# Altium PCB Van Battery Controller V1.PcbDoc (part 1 of 3)
Units mil, origin at the board's own origin, x right, y up, seen from the top; angles counter-clockwise.
Board outline 6889.76 x 6889.76 mil, 8 copper layers (Top (Sig/GND), Int1 (GND), Int2 (24V), Int3 (24V), Int4 (GND), Int5 (24V), Int6 (GND), Bottom (Sig/GND)), stack 90.162 mil thick; 161 components, 117 nets, 594 pads, 573 vias.
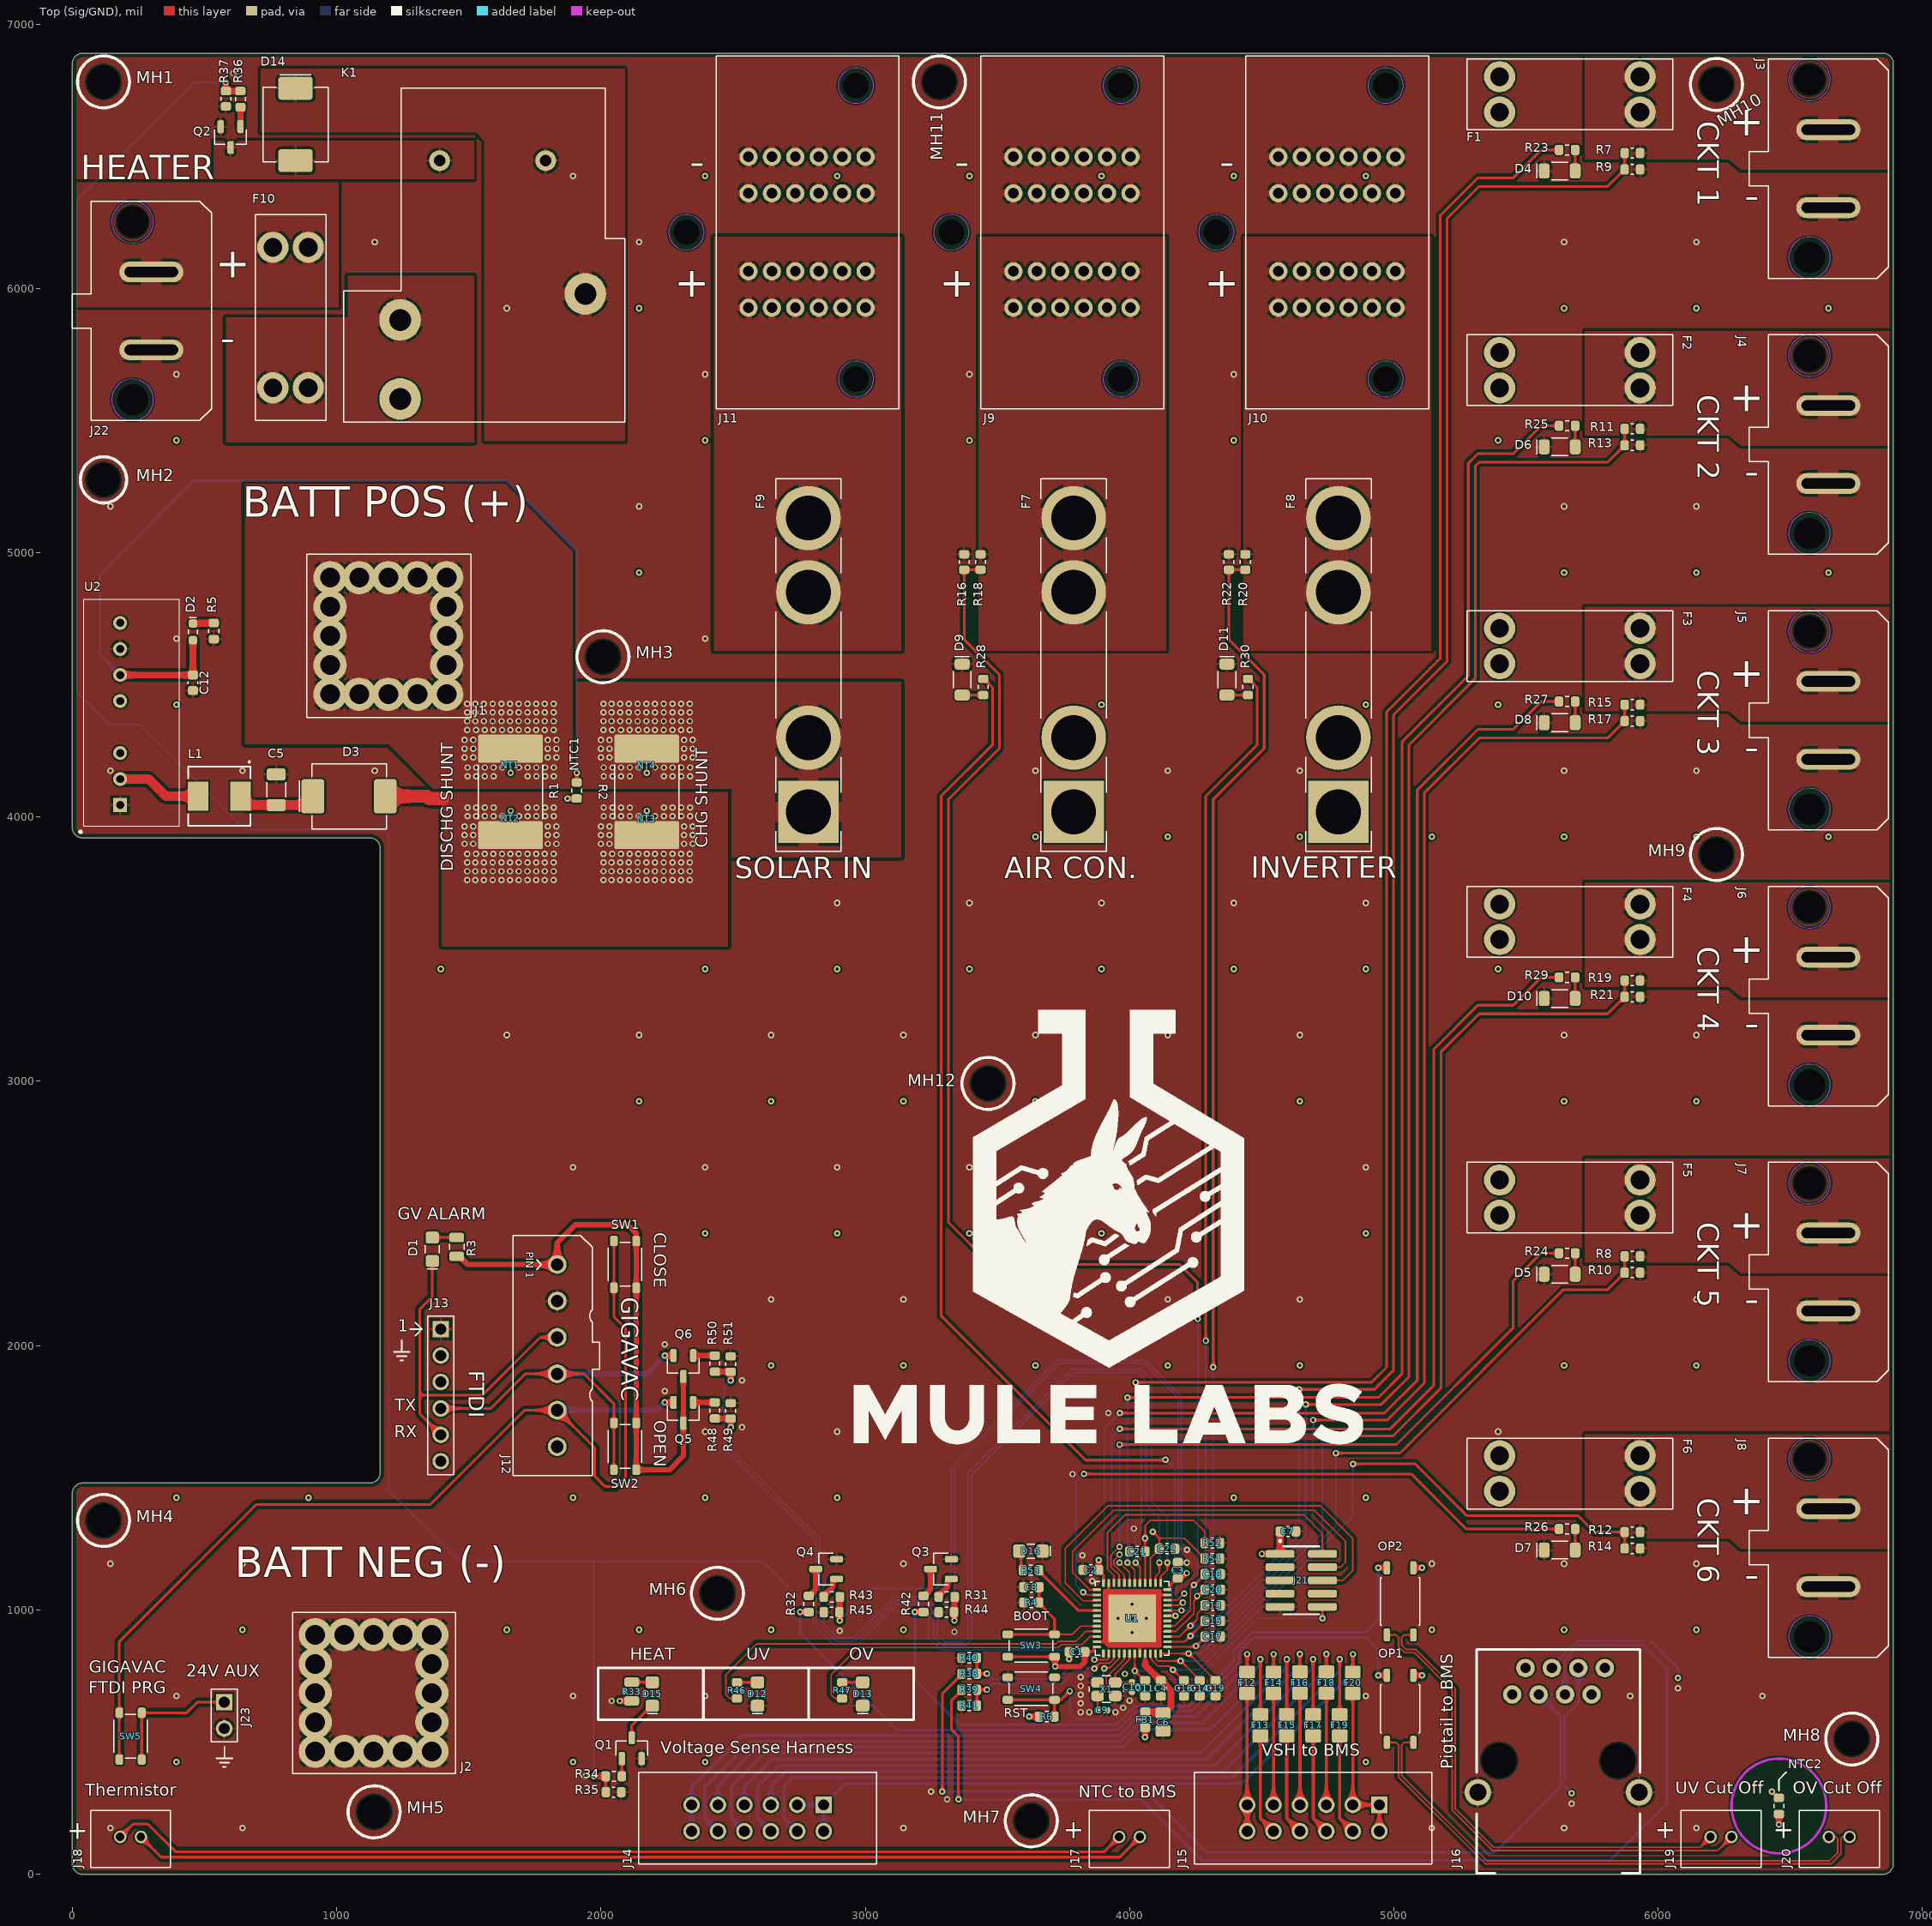
[diagram p0: Top (Sig/GND) view]
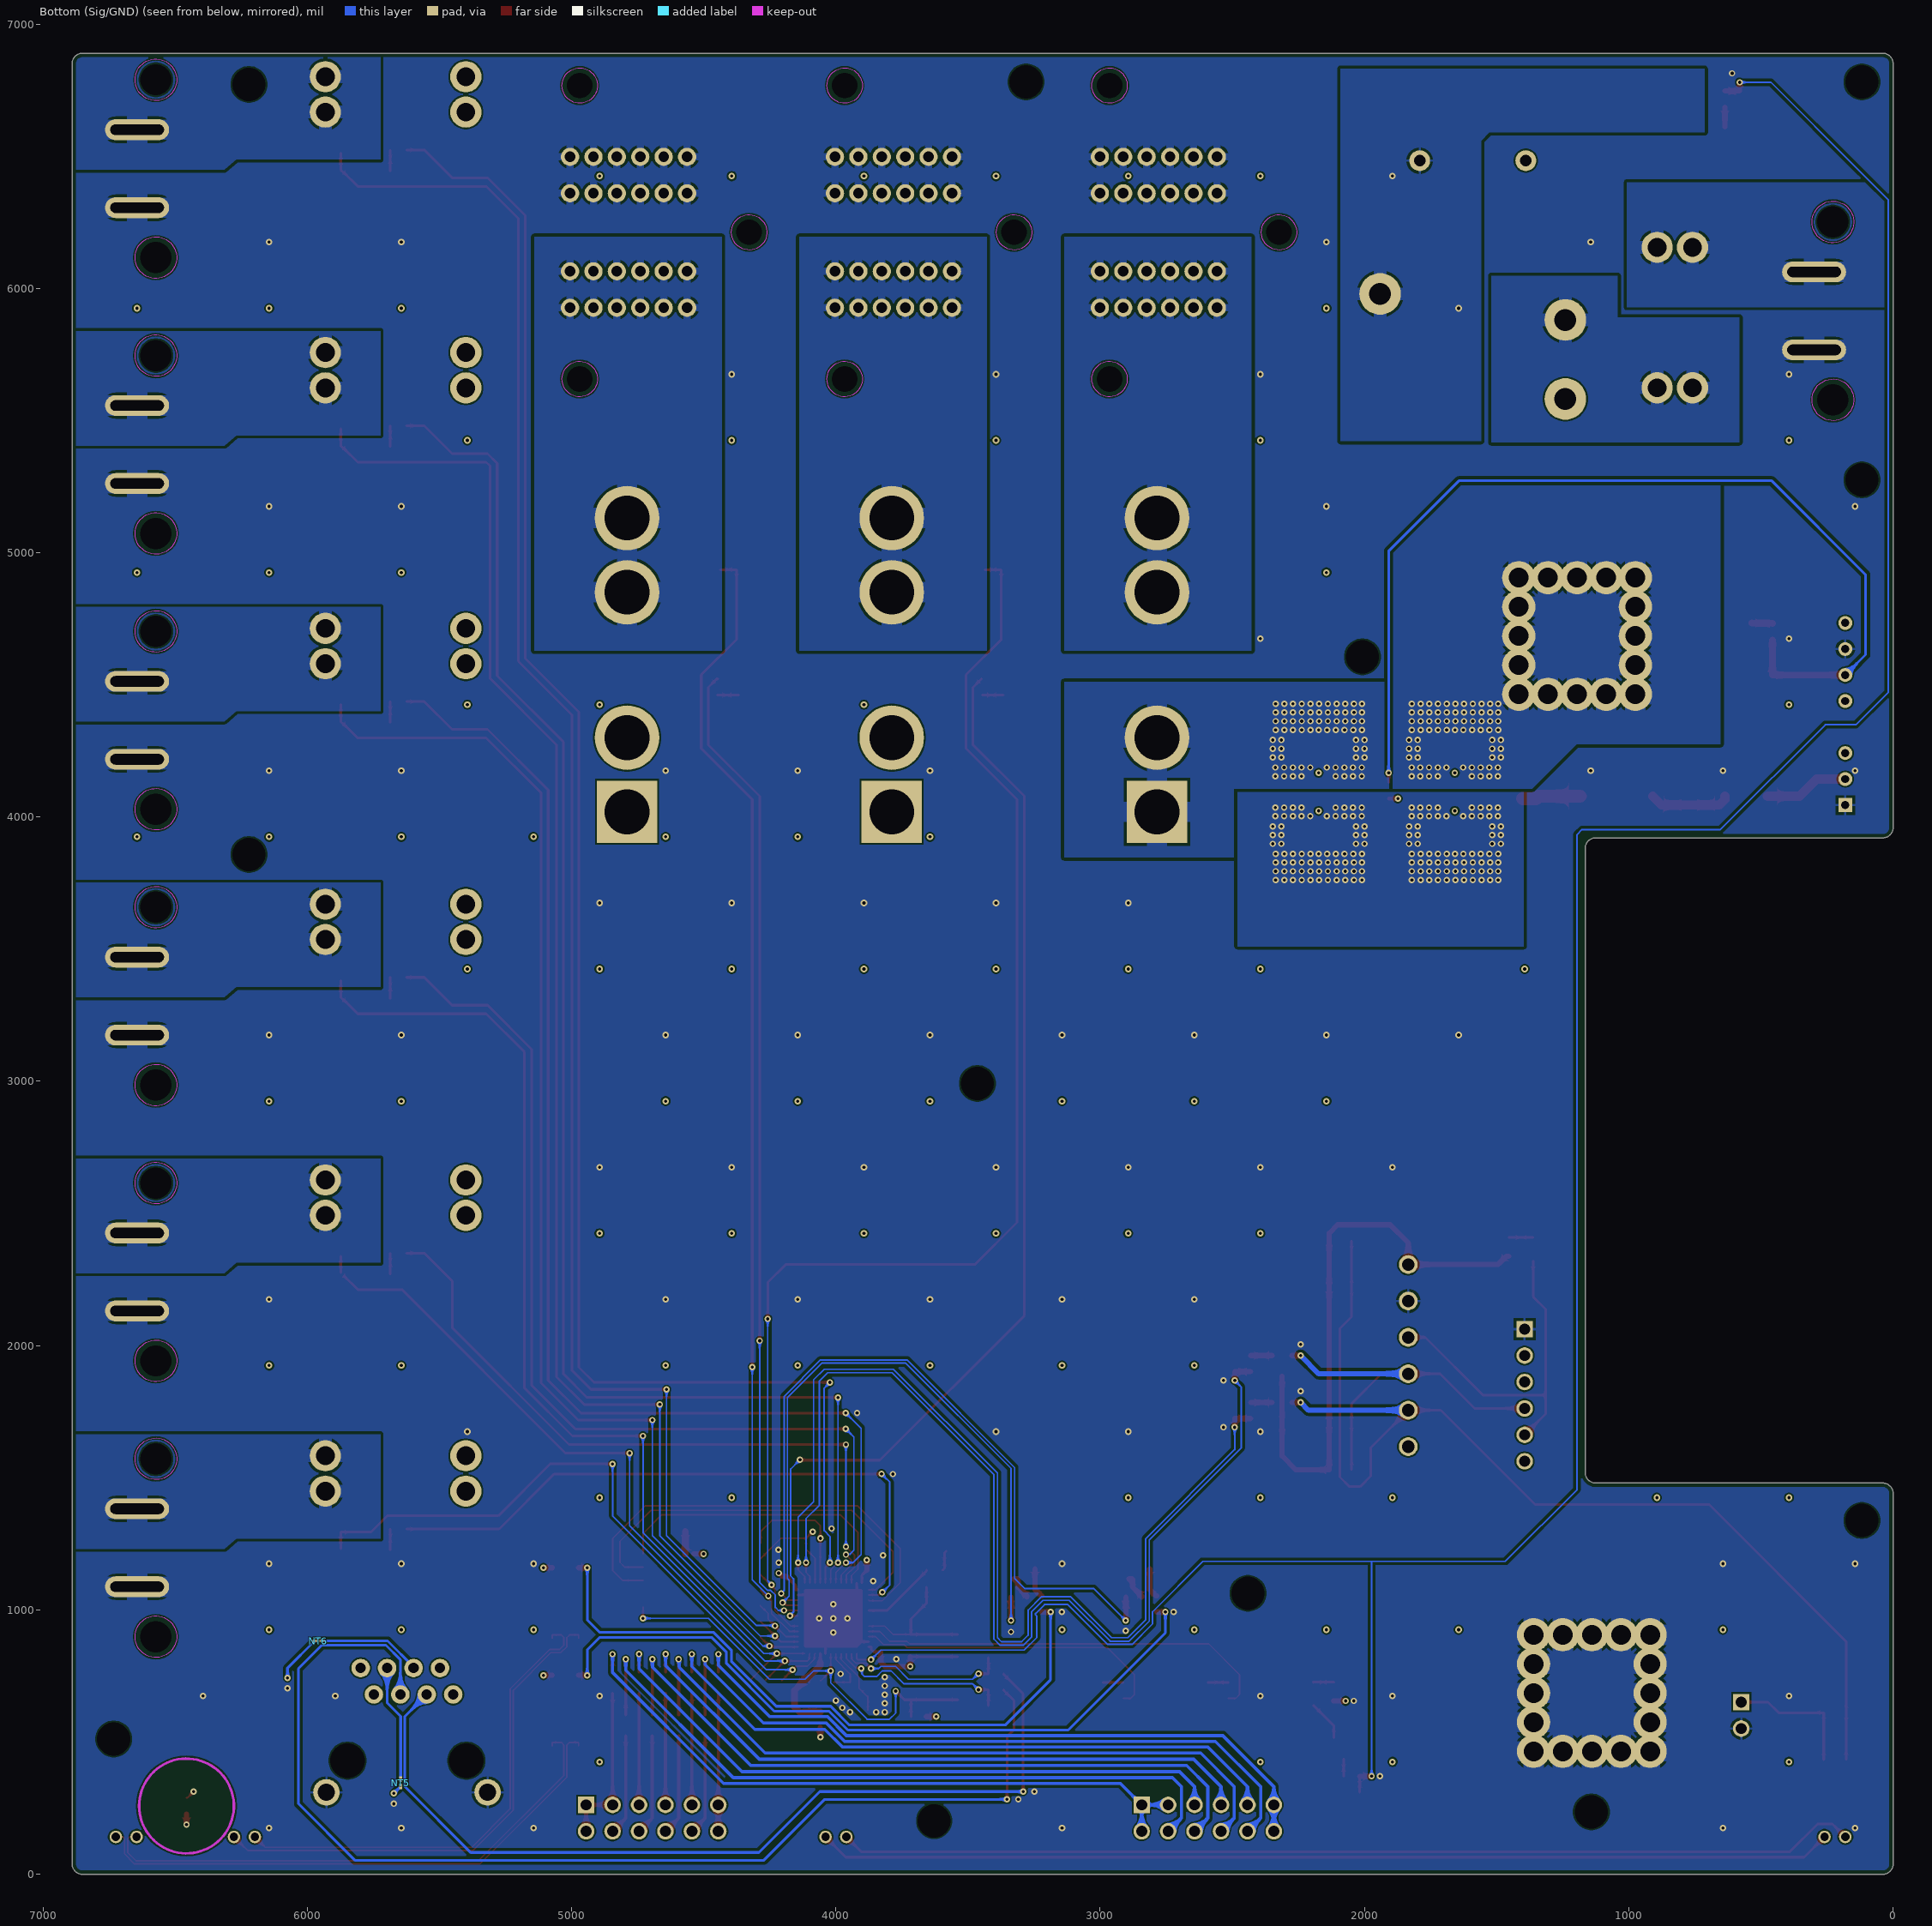
[diagram p1: Bottom (Sig/GND) view, seen from below]
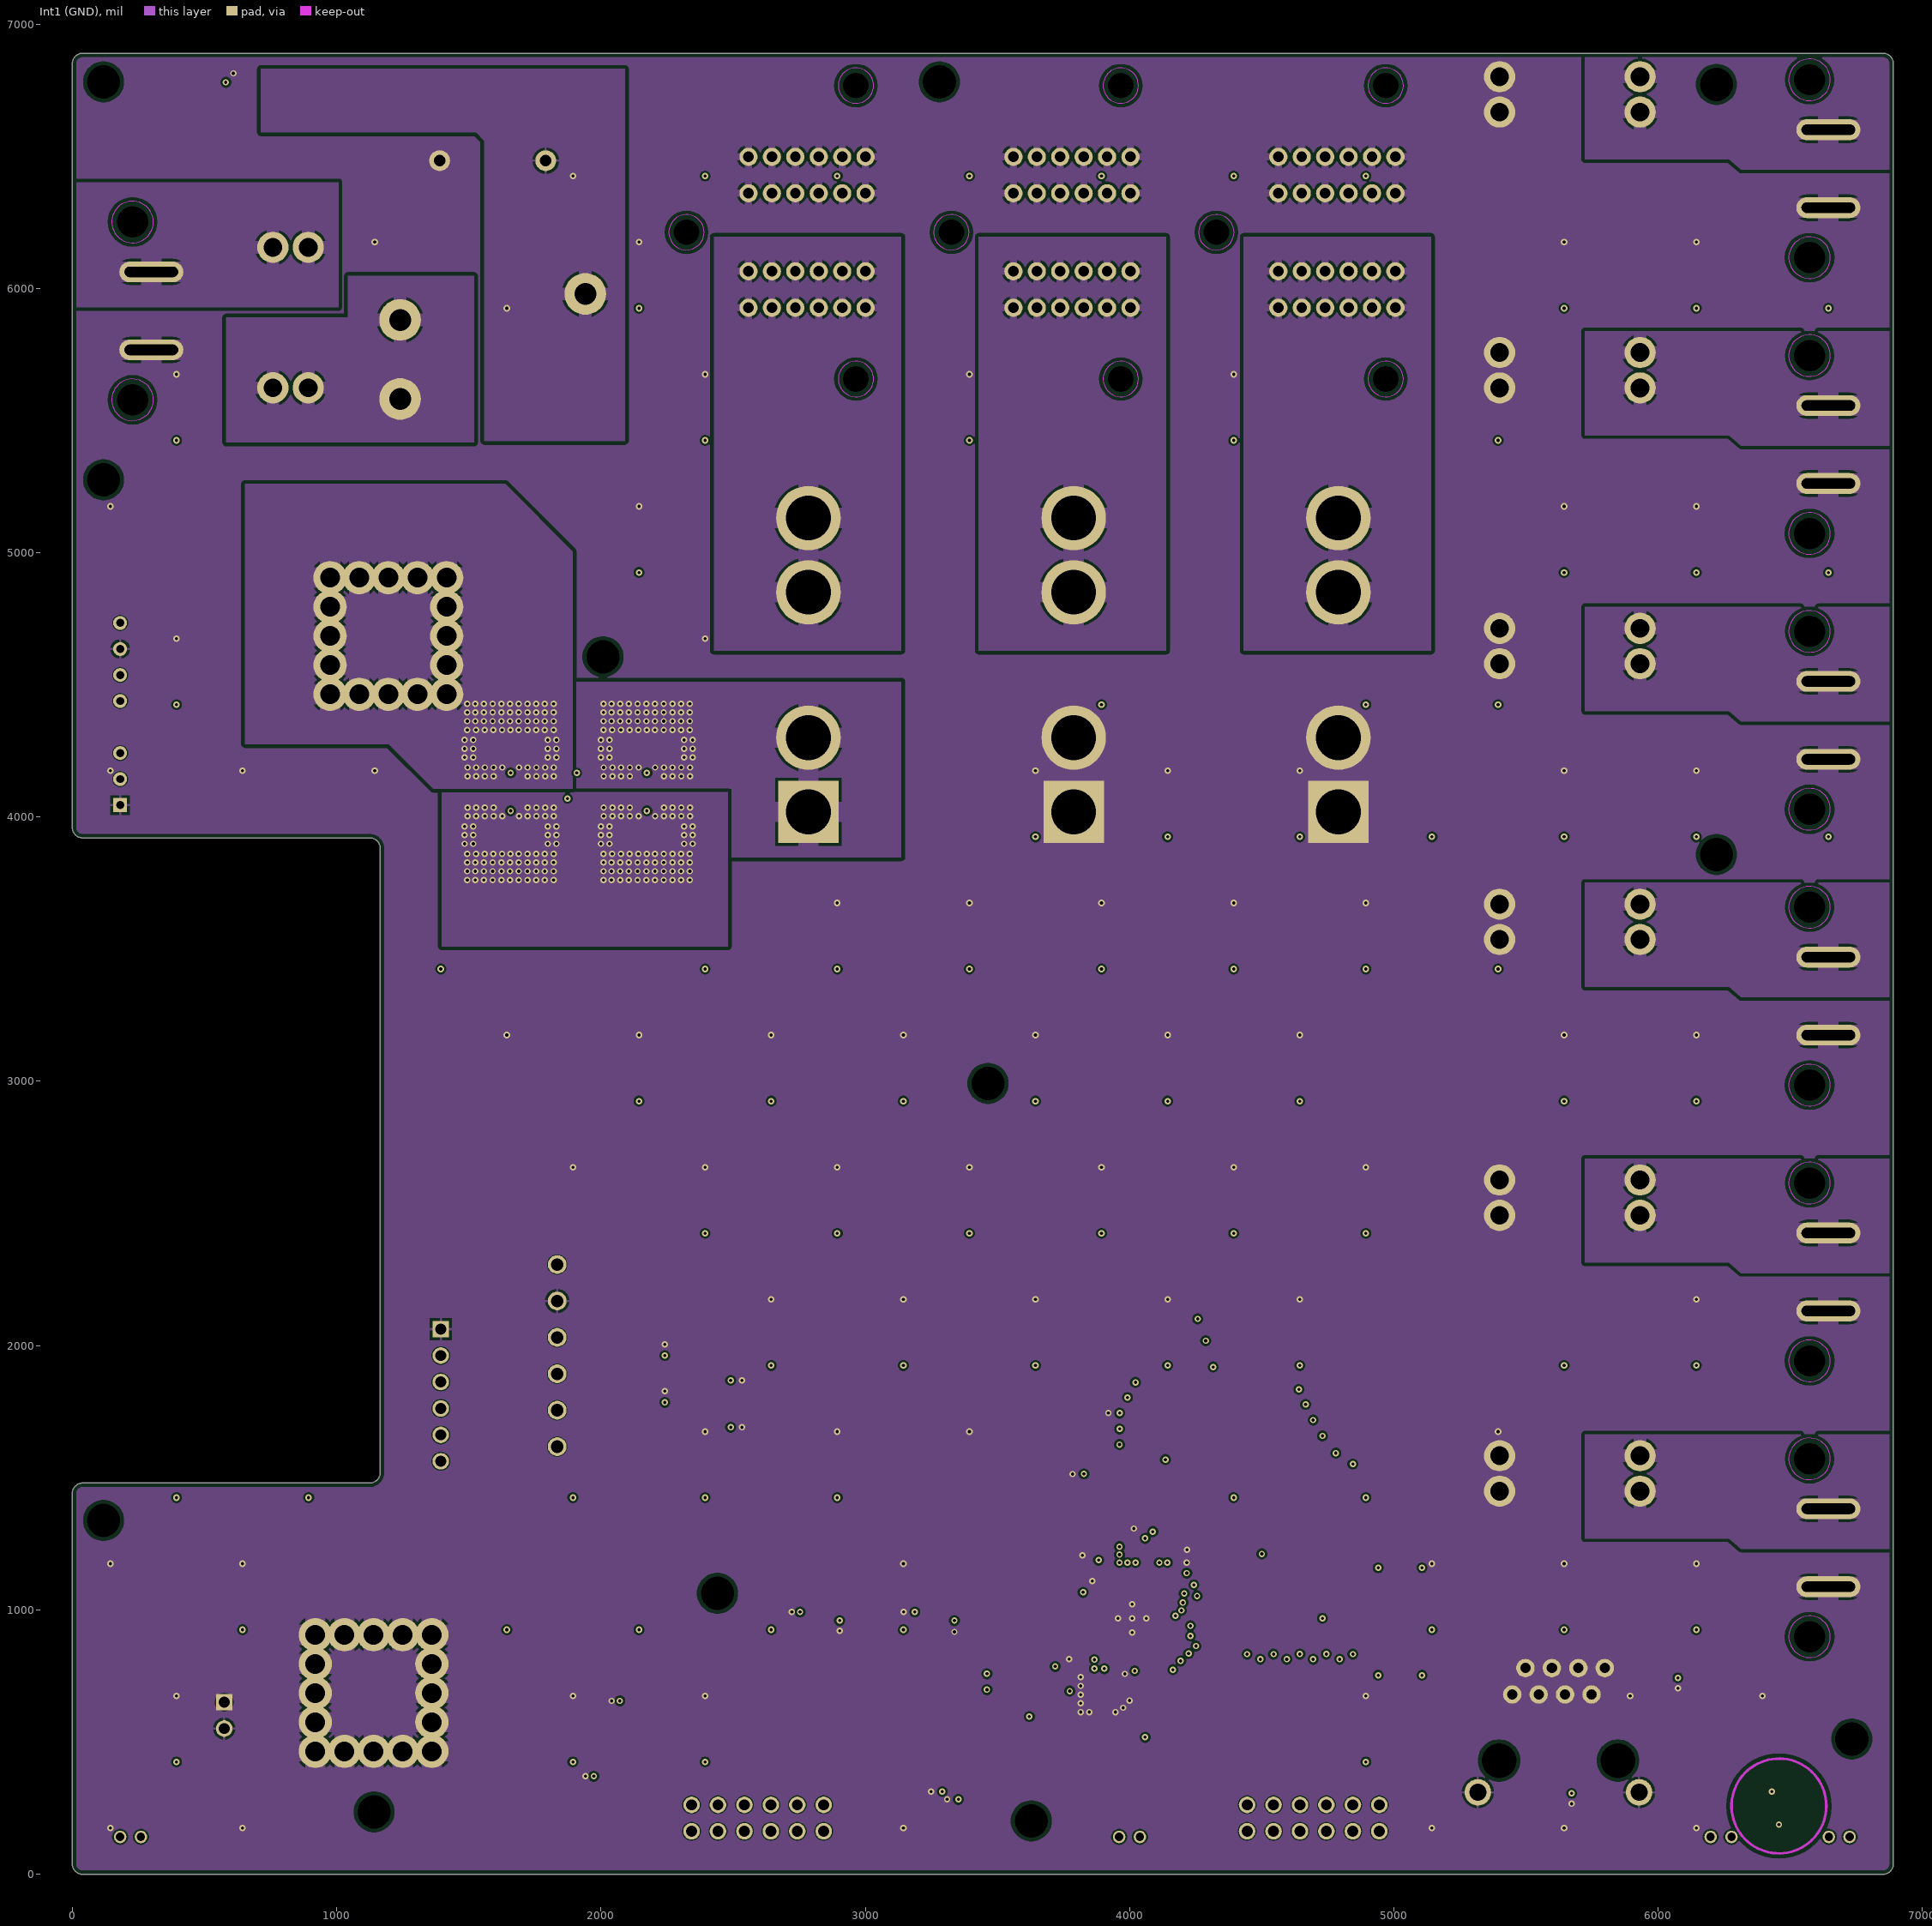
[diagram p2: Int1 (GND)]
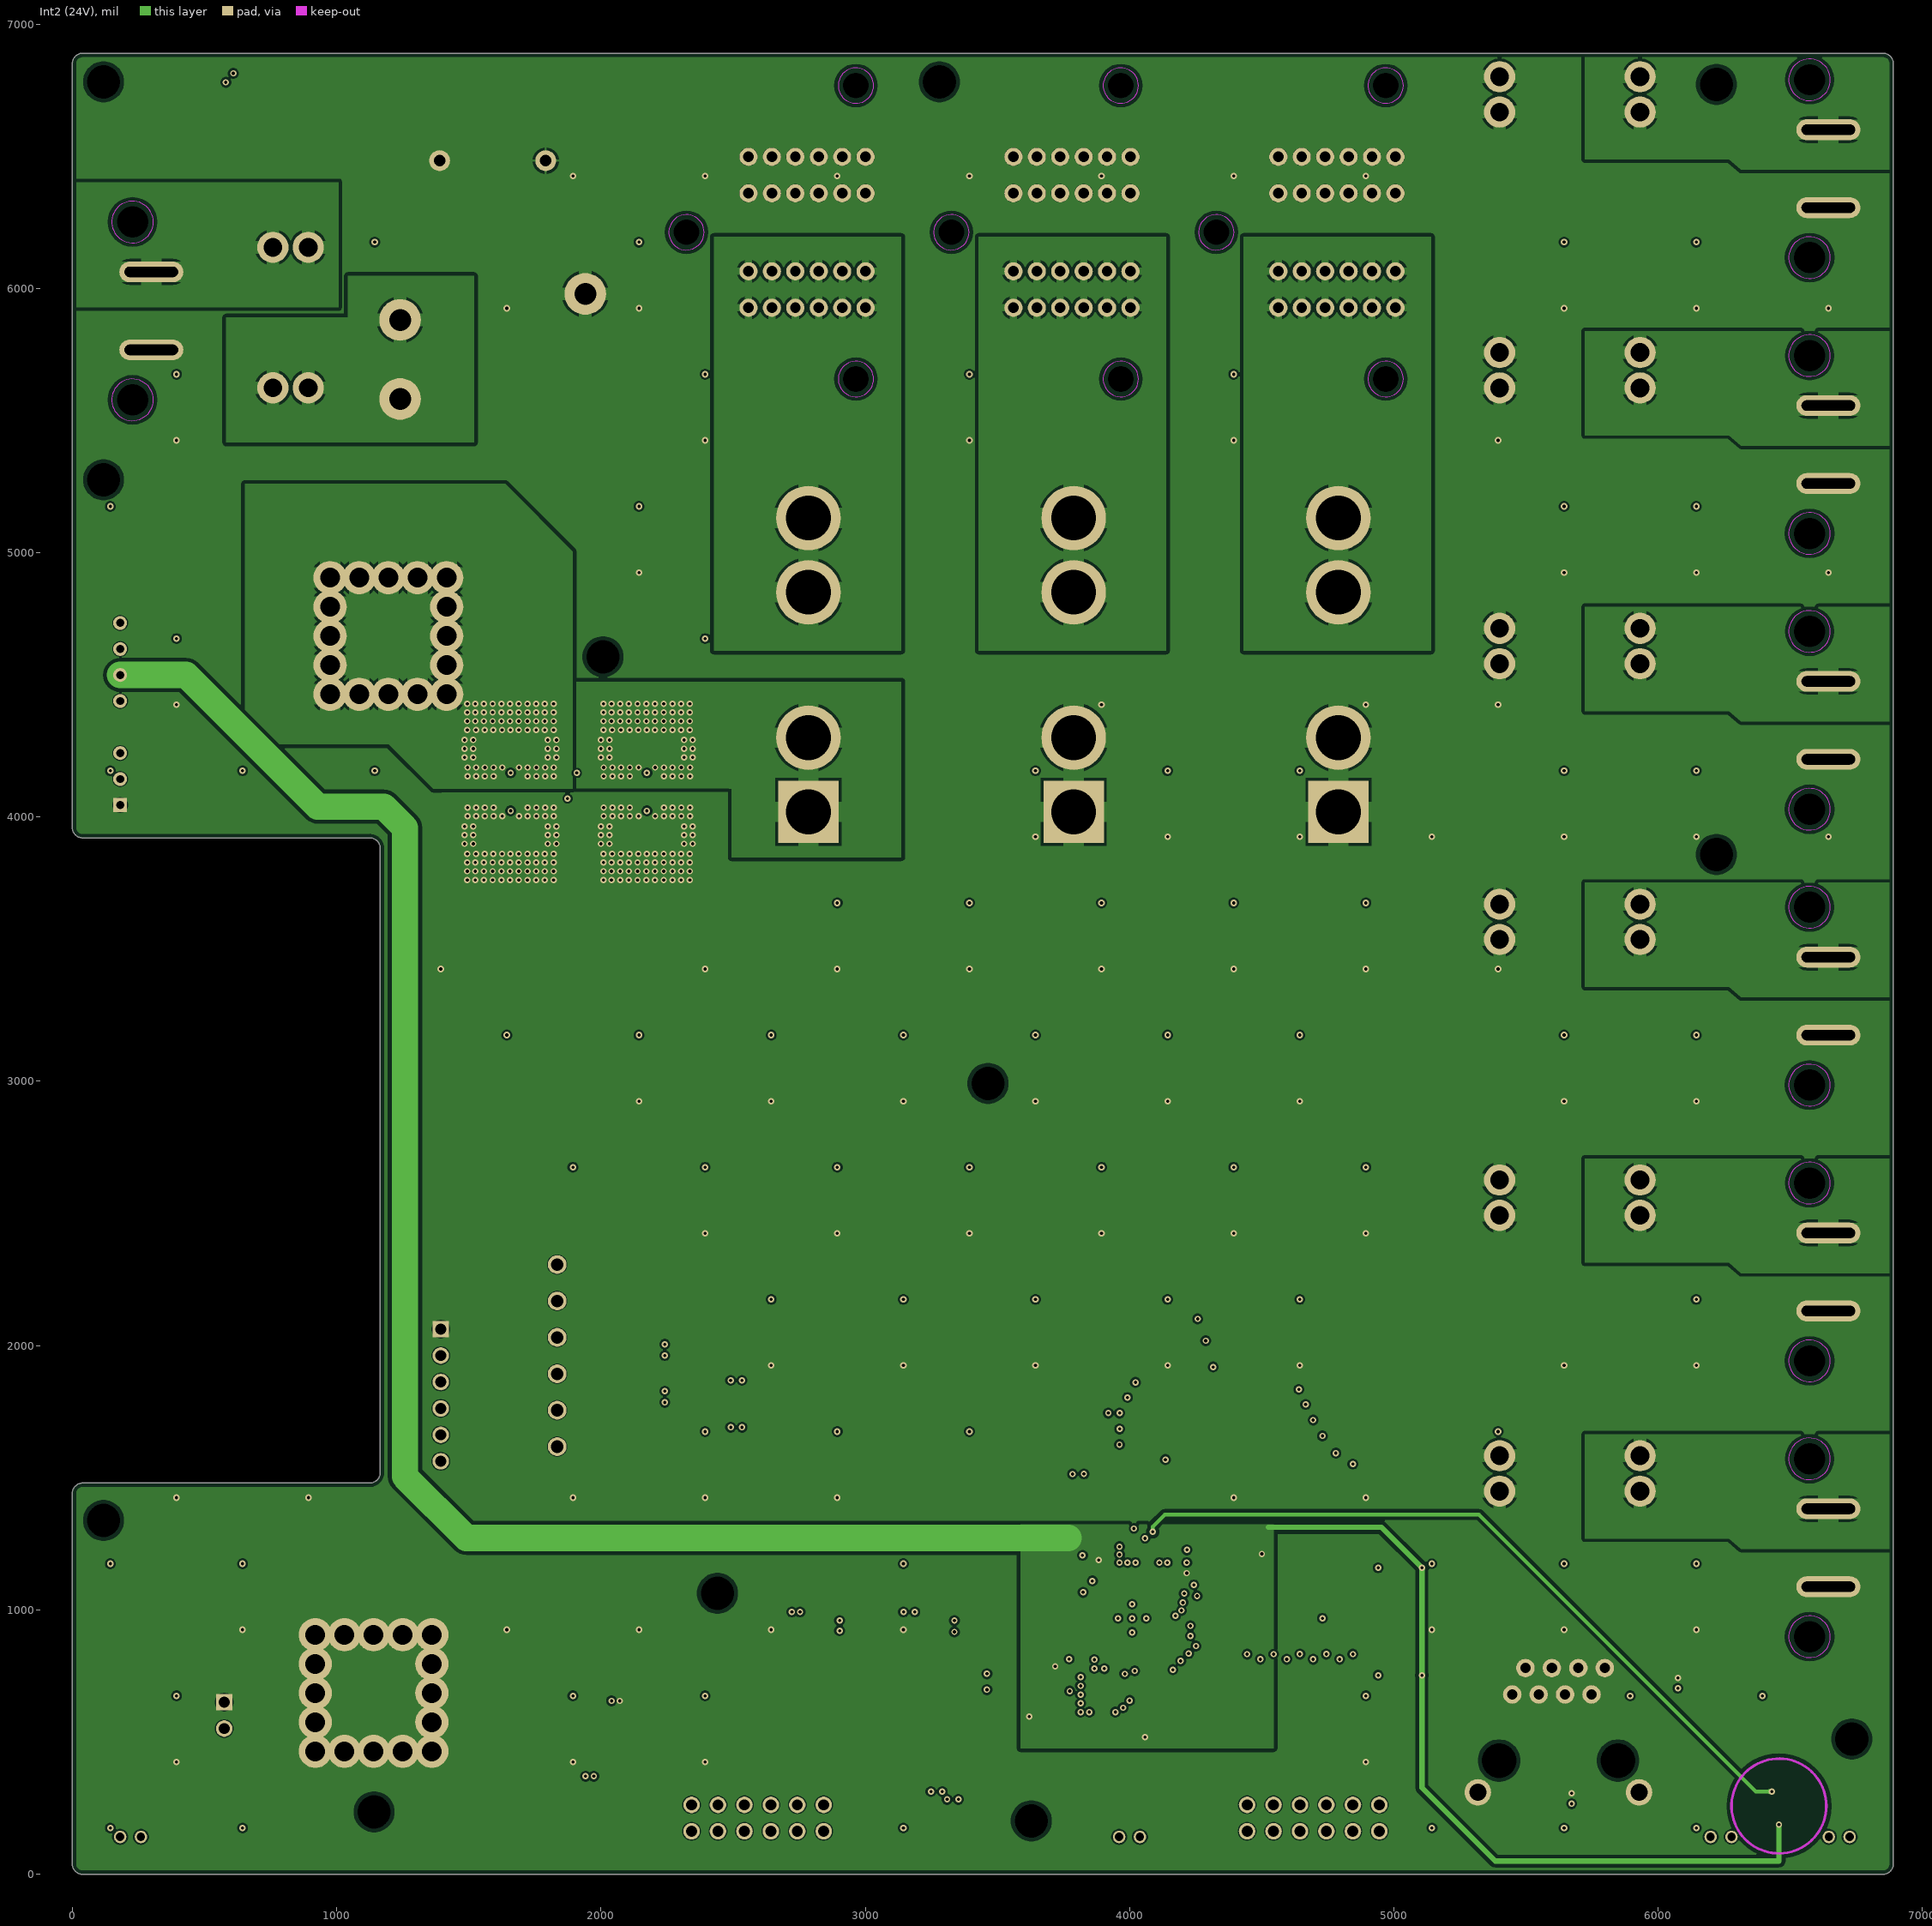
[diagram p3: Int2 (24V)]